# KiCad board BDCMotorController.kicad_pcb (continued)
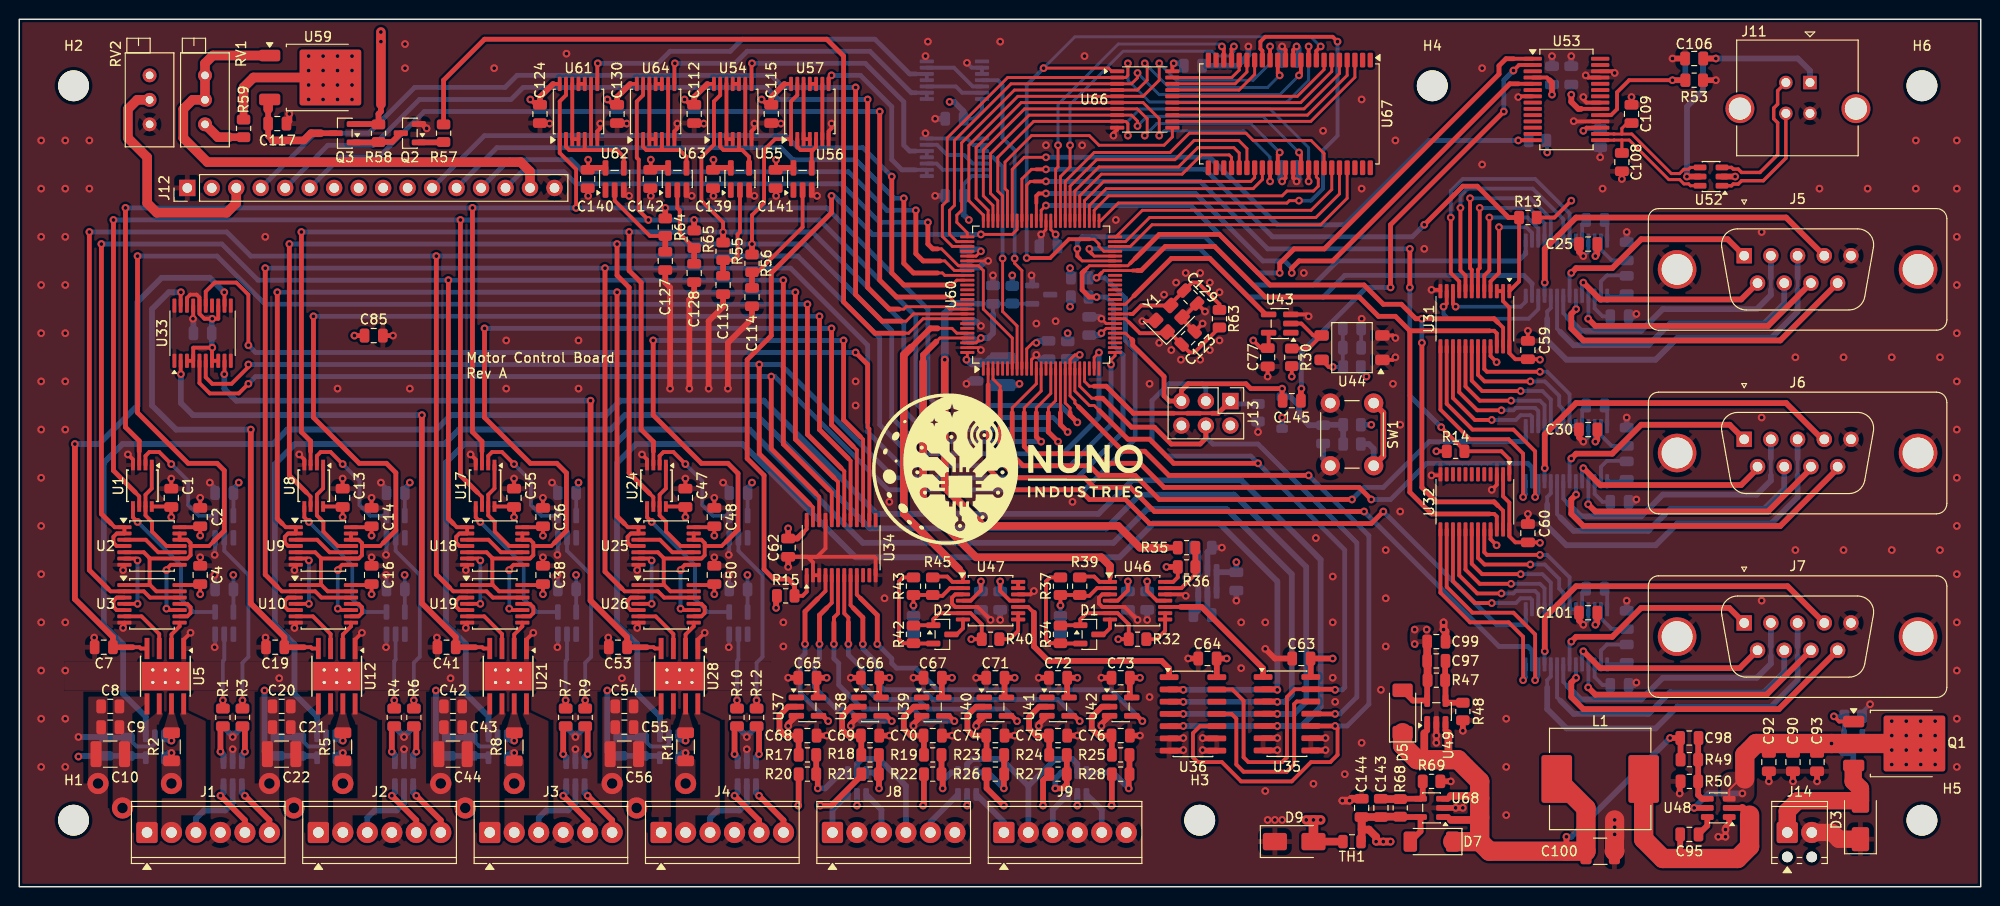
[diagram p0: board, top side]
## Nets (continued)
/Serial ports/RI_IN3: U32.16 U51.17
/Serial ports/RI_LINE1: J5.9 U15.6
/Serial ports/RI_LINE2: J6.9 U16.6
/Serial ports/RI_LINE3: J7.9 U51.6
/Serial ports/RS232 Interface #1/C1+: C26.1 U15.28
/Serial ports/RS232 Interface #1/C1-: C26.2 U15.24
/Serial ports/RS232 Interface #1/C2+: C28.1 U15.1
/Serial ports/RS232 Interface #1/C2-: C28.2 U15.2
/Serial ports/RS232 Interface #1/V+: C29.1 U15.27
/Serial ports/RS232 Interface #1/V-: C27.1 U15.3
/Serial ports/RS232 Interface #2/C1+: C31.1 U16.28
/Serial ports/RS232 Interface #2/C1-: C31.2 U16.24
/Serial ports/RS232 Interface #2/C2+: C33.1 U16.1
/Serial ports/RS232 Interface #2/C2-: C33.2 U16.2
/Serial ports/RS232 Interface #2/V+: C34.1 U16.27
/Serial ports/RS232 Interface #2/V-: C32.1 U16.3
/Serial ports/RS232 Interface #3/C1+: C102.1 U51.28
/Serial ports/RS232 Interface #3/C1-: C102.2 U51.24
/Serial ports/RS232 Interface #3/C2+: C104.1 U51.1
/Serial ports/RS232 Interface #3/C2-: C104.2 U51.2
/Serial ports/RS232 Interface #3/V+: C105.1 U51.27
/Serial ports/RS232 Interface #3/V-: C103.1 U51.3
/Serial ports/RTS_IN1: U15.14 U31.10
/Serial ports/RTS_IN2: U16.14 U31.13
/Serial ports/RTS_IN3: U32.13 U51.14
/Serial ports/RTS_LINE1: J5.7 U15.9
/Serial ports/RTS_LINE2: J6.7 U16.9
/Serial ports/RTS_LINE3: J7.7 U51.9
/Serial ports/RX_LINE1: J5.2 U15.8
/Serial ports/RX_LINE2: J6.2 U16.8
/Serial ports/RX_LINE3: J7.2 U51.8
/Serial ports/ST_IN1: U15.21 U31.8
/Serial ports/ST_IN2: U16.21 U31.19
/Serial ports/ST_IN3: U32.19 U51.21
/Serial ports/TX_LINE1: J5.3 U15.10
/Serial ports/TX_LINE2: J6.3 U16.10
/Serial ports/TX_LINE3: J7.3 U51.10
/Serial ports/~{SHDN_IN1}: U15.22 U15.23 U31.9
/Serial ports/~{SHDN_IN2}: U16.22 U16.23 U31.20
/Serial ports/~{SHDN_IN3}: U32.20 U51.22 U51.23
/USB/DN: J11.2 U52.3
/USB/DP: J11.3 U52.1
/USB/USBN: C109.1 U52.4 U53.16
/USB/USBP: C108.1 U52.6 U53.15
VDC: C8.1 C9.1 C10.1 C20.1 C21.1 C22.1 C42.1 C43.1 C44.1 C54.1 C55.1 C56.1 C90.2 C92.1 C93.1 D4.3 Q1.2 Q3.2 R58.1 U5.5 U12.5 U21.5 U28.5 U48.3 U48.5
Net-(C3-Pad1): C3.1 R1.1 U6.2
Net-(C12-Pad1): C12.1 R3.1 U4.2
Net-(C15-Pad1): C15.1 R4.1 U13.2
Net-(C24-Pad1): C24.1 R6.1 U11.2
Net-(C37-Pad1): C37.1 R7.1 U22.2
Net-(C46-Pad1): C46.1 R9.1 U20.2
Net-(C49-Pad1): C49.1 R10.1 U29.2
Net-(C58-Pad1): C58.1 R12.1 U27.2
Net-(C68-Pad1): C68.1 R17.1 U37.2
Net-(C69-Pad1): C69.1 R18.1 U38.2
Net-(C70-Pad1): C70.1 R19.1 U39.2
Net-(C74-Pad1): C74.1 R23.1 U40.2
Net-(C75-Pad1): C75.1 R24.1 U41.2
Net-(C76-Pad1): C76.1 R25.1 U42.2
Net-(C113-Pad1): C113.1 R55.2 U55.2
Net-(C114-Pad1): C114.1 R56.2 U56.2
Net-(C127-Pad1): C127.1 R64.2 U62.2
Net-(C128-Pad1): C128.1 R65.2 U63.2
Net-(D1-A): D1.2 R34.1 R37.2
Net-(D1-K-Pad3): D1.3 U46.7
Net-(D2-A): D2.2 R42.1 R43.2
Net-(D2-K-Pad3): D2.3 U47.7
Net-(D3-A2): D3.2 J14.1 Q1.3
Net-(D4-A): D4.1 Q1.1 R46.1
Net-(J1-Pin_5): J1.5 U69.6
Net-(J1-Pin_6): J1.6 U69.4
Net-(J2-Pin_5): J2.5 U70.6
Net-(J2-Pin_6): J2.6 U70.4
Net-(J3-Pin_5): J3.5 U71.6
Net-(J3-Pin_6): J3.6 U71.4
Net-(J4-Pin_5): J4.5 U72.6
Net-(J4-Pin_6): J4.6 U72.4
Net-(Q2-B): Q2.1 R57.2
Net-(Q2-C): Q2.3 Q3.1 R58.2
Net-(Q3-D): C117.1 Q3.3 U59.3
Net-(R59-Pad2): R59.2 RV1.1
Net-(R61-Pad2): R61.2 SW1.2
Net-(U1-Pad2): U1.2 U4.4
Net-(U1-Pad5): U1.5 U6.4
Net-(U2-Pad6): U2.6 U3.4
Net-(U2-Pad8): U2.8 U3.10
Net-(U3-Pad3): U3.3 U3.5
Net-(U3-Pad11): U3.9 U3.11
Net-(U5-ISEN): R2.2 U5.7 U7.3
Net-(U10-Pad3): U10.3 U10.5
Net-(U10-Pad4): U9.6 U10.4
Net-(U10-Pad10): U9.8 U10.10
Net-(U10-Pad11): U10.9 U10.11
Net-(U11-Pad4): U8.2 U11.4
Net-(U12-ISEN): R5.2 U12.7 U14.3
Net-(U13-Pad4): U8.5 U13.4
Net-(U17-Pad2): U17.2 U20.4
Net-(U17-Pad5): U17.5 U22.4
Net-(U18-Pad6): U18.6 U19.4
Net-(U18-Pad8): U18.8 U19.10
Net-(U19-Pad3): U19.3 U19.5
Net-(U19-Pad11): U19.9 U19.11
Net-(U21-ISEN): R8.2 U21.7 U23.3
Net-(U24-Pad2): U24.2 U27.4
Net-(U24-Pad5): U24.5 U29.4
Net-(U25-Pad6): U25.6 U26.4
Net-(U25-Pad8): U25.8 U26.10
Net-(U26-Pad3): U26.3 U26.5
Net-(U26-Pad11): U26.9 U26.11
Net-(U28-ISEN): R11.2 U28.7 U30.3
Net-(U35-SO): U35.12 U36.11
Net-(U44-OUT): R30.2 U43.2 U44.3
Net-(U44-Vcc): C78.1 C79.1 R29.1 U44.4
Net-(U46A--): R37.1 R38.2 R39.2 U46.2
Net-(U46B--): D1.1 R32.1 R33.1 R34.2 U46.6
Net-(U46D--): R35.1 R36.1 U46.13
Net-(U47A--): R43.1 R44.2 R45.2 U47.2
Net-(U47B--): D2.1 R40.1 R41.1 R42.2 U47.6
Net-(U47D--): U47.13 U47.14
Net-(U48-BOOT): C95.1 U48.6
Net-(U48-FB): C98.2 R49.2 R50.1 U48.4
Net-(U48-SW): C95.2 L1.1 U48.2
Net-(U49-FB): C97.2 R47.2 R48.1 U49.4
Net-(U50-C1+): C94.1 U50.5
Net-(U50-C1-): C94.2 U50.6
Net-(U53-3V3OUT): C107.1 U53.17
Net-(U54-Pad2): U54.2 U54.5 U55.4
Net-(U54-Pad6): U54.6 U54.9
Net-(U54-Pad8): U54.8 U58.4 U58.5
Net-(U54-Pad10): U54.10 U54.11
Net-(U54-Pad12): U54.3 U54.4 U54.12
Net-(U56-Pad4): U56.4 U57.2 U57.5
Net-(U57-Pad6): U57.6 U57.9
Net-(U57-Pad8): U57.8 U58.1 U58.2
Net-(U57-Pad10): U57.10 U57.11
Net-(U57-Pad12): U57.3 U57.4 U57.12
Net-(U58-Pad12): U58.6 U58.12
Net-(U58-Pad13): U58.3 U58.13
Net-(U59-VO): R59.1 U59.2
Net-(U61-Pad2): U61.2 U61.5 U62.4
Net-(U61-Pad6): U61.6 U61.9
Net-(U61-Pad8): U61.8 U65.4 U65.5
Net-(U61-Pad10): U61.10 U61.11
Net-(U61-Pad12): U61.3 U61.4 U61.12
Net-(U63-Pad4): U63.4 U64.2 U64.5
Net-(U64-Pad6): U64.6 U64.9
Net-(U64-Pad8): U64.8 U65.1 U65.2
Net-(U64-Pad10): U64.10 U64.11
Net-(U64-Pad12): U64.3 U64.4 U64.12
Net-(U65-Pad12): U65.6 U65.12
Net-(U65-Pad13): U65.3 U65.13
Net-(U68-FB): C143.2 R68.2 R69.1 U68.4

Pads without a net: D4 2; J11 SH; U4 1; U6 1; U11 1; U13 1; U15 20; U16 20; U20 1; U22 1; U27 1; U29 1; U32 4 5 6 7 8 9 10 11; U33 14; U34 10 11 13; U36 12; U37 1; U38 1; U39 1; U40 1; U41 1; U42 1; U43 1; U45 3; U51 20; U53 3 6 8 9 10 11 12 13 22 23 24 27 28; U55 1; U56 1; U58 8; U60 1 4 5 14 23 25 27 28 29 35 37 38 39 40 41 42 65 79 94 95; U62 1; U63 1; U65 8; U67 1 2 21 22 23 24 25 42 43 44

## Via types
v1: diameter 0.8, hole 0.4, Top to Bottom, 726 vias
v2: diameter 2.2, hole 1.1, Top to Bottom, 12 vias

## Routing (per net, layer and track width the routed paths; a pad name or vN(x,y) marks a point on that pad's centre or on a via; arc(x,y) is an arc through that point)
+3VADC: length 61.8
  Top w0.3: U60.98 99.27,56.43 v1(99.77,56.93)
  Top w0.6: 119.02,35.18 R35.2
  Top w0.8: 119.02,35.18 116.27,35.18 114.02,37.43 100.02,37.43 96.02,41.43 v1(96.02,54.68)
  Bottom w0.4: C81.1 99.77,60.48 ; C81.1 101.02,59.43 ; C81.1 102.98,60.48 ; U45.1 103.06,60.48
  Bottom w0.6: 102.98,60.48 R31.2 103.06,60.48 ; 98.52,60.48 99.77,60.48 ; 101.02,59.43 101.02,57.43 100.52,56.93 v1(99.77,56.93) 99.57,56.73 C125.1
  Bottom w0.8: v1(96.02,54.68) 96.02,59.43 97.07,60.48 98.52,60.48
+5V: length 287.9
  Top w0.3: U60.31 112.77,57.93 v1(112.27,57.43) ; U60.61 107.02,68.18 v1(107.52,67.68) ; U60.80 99.27,65.43 v1(99.77,65.93) ; U60.10 104.52,55.81 105.14,56.43 v1(105.52,56.43)
  Top w0.4: U64.14 63.38,83.29 ; U3.14 18.67,31.3 C4.1 v1(18.77,30.35) ; U67.33 131.37,73.53 v1(131.02,73.18) ; v1(69.02,81.68) 69.57,81.13 C112.1 ; U31.21 152.64,55.06 v1(153.27,54.43) ; v1(59.02,75.43) 59.02,74.43 C140.1 ; C141.1 78.52,74.43 v1(78.52,75.43) ; v1(33.55,38.35) C13.1 33.5,39.45 U8.8 ; v1(72.11,30.35) C50.1 72.01,31.3 U26.14 ; 81.27,36.68 81.7,37.11 U34.24 ; v1(157.77,35.68) 157.72,35.73 C60.1 155.22,35.73 154.59,36.36 U32.24 154.59,39.86 153.94,40.51 U32.2 ; v1(36.55,30.35) C16.1 36.45,31.3 U10.14 ; U31.3 U31.2 153.94,60.76 154.59,60.11 U31.24 154.59,55.36 155.22,54.73 C59.1 157.72,54.73 v1(157.77,54.68) ; v1(132.02,52.93) R30.1 ; C115.1 77.57,81.13 v1(77.02,81.68) ; v1(18.77,36.43) C2.1 18.67,37.3 U2.14 ; v1(161.02,71.18) 159.27,69.43 R13.2 ; v1(36.55,36.43) C14.1 36.45,37.3 U9.14 ; v1(51.33,38.35) C35.1 51.28,39.45 U17.8 ; v1(119.77,85.43) 119.74,85.43 119.63,85.32 U66.20 ; v1(53.02,81.68) 53.57,81.13 C124.1 ; v1(65.52,75.43) 65.52,74.43 C142.1 ; 79.38,83.29 U57.14 ; v1(69.11,38.35) C47.1 69.06,39.45 U24.8 ; U19.14 54.23,31.3 C38.1 v1(54.33,30.35) ; v1(99.77,31.68) 99.77,30.74 98.71,29.68 U47.4 ; U33.17 18.05,58.96 v1(18.02,58.93) ; v1(115.02,31.68) 115.02,30.74 113.96,29.68 U46.4 ; v1(72.11,36.43) C48.1 72.01,37.3 U25.14 ; 162.02,80.71 U53.20 ; v1(128.02,56.68) 128.77,55.93 129.47,55.93 C77.1 129.62,55.98 U43.5 ; C139.1 72.02,74.43 v1(72.02,75.43) ; v1(132.52,87.18) 132.17,86.83 U67.11 ; U61.14 55.38,83.29 ; U53.4 158.5,83.96 158.77,83.68 ; U32.21 152.64,36.06 v1(153.27,35.43) ; U18.14 54.23,37.3 C36.1 v1(54.33,36.43) ; v1(61.02,81.68) 61.57,81.13 C130.1 ; 71.38,83.29 U54.14 ; U1.8 15.72,39.45 C1.1 v1(15.77,38.35) ; v1(147.02,45.18) R14.2
  Top w0.5: v1(34.77,57.18) C85.1
  Top w0.6: v1(136.27,23.68) C63.1 134,23.66 U35.14 ; C140.1 59.17,74.58 U62.5 ; v1(109.77,21.68) C72.1 108.72,19.83 U41.5 ; 71.38,83.29 70.02,81.93 C112.1 ; v1(125.27,23.68) C64.1 124.24,23.66 U36.14 ; U38.5 89.22,19.83 C66.1 v1(90.27,21.68) ; C142.1 65.67,74.58 U63.5 ; U37.5 82.72,19.83 C65.1 v1(83.77,21.68) ; U55.5 72.17,74.58 C139.1 ; U40.5 102.22,19.83 C71.1 v1(103.27,21.68) ; D5.2 144.58,19.32 U49.5 146.07,21.39 R47.1 ; v1(79.77,37.18) C62.1 80.72,36.13 81.27,36.68 ; v1(96.77,21.68) C67.1 95.72,19.83 U39.5 ; U42.5 115.22,19.83 C73.1 v1(116.27,21.68) ; C130.1 62.02,81.93 63.38,83.29 ; C124.1 54.02,81.93 55.38,83.29 ; v1(161.02,82.18) 161.02,81.43 161.75,80.71 162.02,80.71 ; R15.1 78.52,30.09 v1(78.52,28.93) ; 158.77,83.68 159.02,83.43 v1(159.02,82.18) ; 79.38,83.29 78.02,81.93 C115.1 ; C141.1 78.67,74.58 U56.5
  Top w0.8: R47.1 146.11,23.39 C97.1 C99.1
  Bottom w0.4: U11.5 C18.1 40.05,40.9 40.05,41.46 v1(40.52,41.93) ; U27.5 C52.1 75.61,40.9 75.61,41.52 v1(76.02,41.93) ; v1(75.54,32.35) 75.56,32.33 C51.1 U29.5 ; R29.2 139.18,53.52 v1(139.77,52.93) ; C116.1 97.97,72.88 98.82,73.73 U58.14 ; U6.5 C5.1 22.22,32.33 v1(22.2,32.35) ; v1(58.02,41.93) 58.02,41.68 57.83,41.49 57.83,40.9 C40.1 U20.5 ; v1(158.52,76.18) 158.52,77.34 R54.1 ; U13.5 C17.1 40,32.33 v1(39.98,32.35) ; C132.1 99.02,79.68 99.88,80.54 U65.14 ; U22.5 C39.1 57.78,32.33 v1(57.76,32.35) ; v1(22.77,41.93) 22.27,41.43 22.27,40.9 C6.1 U4.5
  Bottom w0.6: v1(132.52,87.18) 132.72,86.98 C133.1 ; v1(96.52,81.43) 96.99,81.43 97.97,80.46 C132.1 ; v1(105.52,56.43) 105.72,56.63 C118.1 ; C116.1 97.97,69.73 v1(98.52,69.18) ; L2.1 103.62,52.03 v1(103.77,52.18) ; R67.1 109.02,63.27 v1(109.02,64.18) ; C80.1 v1(115.02,31.68) ; v1(103.02,63.43) R31.1 ; U50.4 U50.3 124.41,32.63 C91.1 v1(126.27,33.68) ; C61.1 18.07,58.88 v1(18.02,58.93) ; U7.5 12.93,13.57 C11.1 C134.1 6.2,13.57 v1(6.14,13.5) ; v1(112.27,57.43) 112.07,57.23 C121.1 ; U30.5 66.27,13.57 C57.1 C137.1 61.44,13.57 61,14.01 v1(61,20.36) ; U14.5 30.71,13.57 C23.1 C135.1 25.88,13.57 25.44,14.01 v1(25.44,20.36) ; C119.1 107.52,66.63 v1(107.52,67.68) ; R62.1 v1(140.27,47.93) ; C83.1 v1(99.77,31.68) ; v1(119.77,85.43) 120.57,85.43 C131.1 ; v1(131.02,48.68) D6.1 ; v1(131.02,73.18) 130.82,73.38 C138.1 ; C120.1 99.57,66.13 v1(99.77,65.93) ; v1(108.77,57.43) R60.1 ; v1(109.02,60.18) 109.02,61.09 R66.1 ; U23.5 48.49,13.57 C45.1 C136.1 43.66,13.57 43.22,14.01 v1(43.22,20.36)
  vias: v1(144.77,26.68) v1(144.77,25.18) v1(146.02,26.68)
+5VA: length 4.8
  Top w0.3: U60.100 98.36,54.77 v1(98.27,54.68)
  Bottom w0.6: v1(98.27,54.68) 98.57,54.38 C122.1 99.32,54.43 100.27,54.43 100.67,54.83 L2.2
+5VD: length 138.8
  Top w0.6: C25.1 163.72,65.63 v1(163.52,65.43) ; R68.1 143.31,7.23 U68.5 145.38,5.74 D7.2 ; v1(163.52,46.18) 163.72,46.38 C30.1 ; C101.1 163.72,27.38 v1(163.52,27.18)
  Top w0.8: C144.1 139.27,4.74 TH1.2 ; C144.1 139.27,5.93 140.02,5.93 140.77,5.18 v1(140.77,4.68) v1(141.52,4.68) v1(142.27,4.68) ; C144.1 C143.1 141.31,7.27 R68.1
  In2.Cu w1: 199.27,69.93 172.27,69.93 167.77,65.43 v1(163.52,65.43) ; v1(163.52,27.18) 167.67,27.18 172.42,31.93 199.27,31.93 ; 199.27,50.93 172.19,50.93 167.44,46.18 v1(163.52,46.18)
  Bottom w0.4: U51.26 163.44,27.26 v1(163.52,27.18) ; U15.26 163.44,65.51 v1(163.52,65.43) ; v1(163.52,46.18) 163.44,46.26 U16.26
+5VL: length 64.8
  Top w0.6: v1(106.21,8.42) 106.21,11.04 R27.2 ; R20.2 80.86,8.47 v1(80.81,8.42) ; v1(102.15,8.42) 100.36,10.22 R26.2 ; v1(93.77,8.42) 93.86,8.51 R22.2 ; R21.2 87.36,11.52 84.26,8.42 v1(83.1,8.42) ; R28.2 113.36,8.46 v1(113.33,8.42)
  Top w0.8: TH1.1 D9.2
  Top w1: v1(134.27,6.93) v1(133.52,6.93) ; v1(134.27,6.93) D9.2 ; v1(134.27,6.93) v1(135.02,6.93)
  Bottom w0.6: U72.5 75.48,8.68 74.72,7.92 72.43,7.92 71.67,7.15 J4.3 ; U74.5 v1(98.34,8.42) ; U69.5 22.14,8.68 21.38,7.92 19.16,7.92 18.33,7.09 J1.3 ; U75.5 v1(109.77,8.42) ; U73.5 v1(86.91,8.42) ; U71.5 57.7,8.68 56.94,7.92 54.65,7.92 53.89,7.15 J3.3 ; J2.3 36.11,7.15 36.87,7.92 39.16,7.92 39.92,8.68 U70.5
-5V: length 11.2
  Top w0.4: v1(101.77,31.68) 101.77,30.68 102.77,29.68 U47.11 ; U46.11 118.02,29.68 117.02,30.68 v1(117.02,31.68)
  Bottom w0.6: C82.2 v1(117.02,31.68) ; U50.1 122.32,34.68 C96.1 ; v1(101.77,31.68) C84.2
/Power/5V5: length 76.1
  Top w0.6: v1(171.27,15.43) C98.1 172.36,15.39 R49.1 ; 151.27,6.93 151.52,7.18 ; 148.27,15.93 147.97,16.23 U49.3 ; 148.52,6.93 148.22,7.23 U68.1 ; v1(160.52,5.18) 160.52,3.68 ; 145.77,15.93 146.07,16.23 U49.1 ; 151.27,9.43 151.52,9.18 ; 148.52,9.43 148.22,9.13 U68.3
  Top w0.8: 145.77,15.93 145.77,13.18 ; 148.27,15.93 148.27,13.18 ; 148.52,6.93 151.27,6.93 ; 148.52,9.43 151.27,9.43
  Top w2: 151.52,4.68 151.52,10.93 149.27,13.18 145.02,13.18 143.52,14.68 D5.1 ; 151.52,4.68 152.52,3.68 C100.1 162.55,8.15 L1.2 ; 151.52,4.68 D7.1
  Bottom w0.6: v1(171.27,15.43) 161.02,5.18 v1(160.52,5.18)
/USB/VBUS_ON: length 15
  Top w0.4: U53.19 165.14,80.06 165.77,80.68 165.77,82.43 167.02,83.68 v1(171.52,83.68)
  Top w0.6: R53.1 v1(171.52,83.68)
  Bottom w0.6: R51.2 R53.1 v1(171.52,83.68)
GND: length 442
  Top w0.3: U60.11 105.02,54.68 v1(105.52,55.18) ; U60.32 112.77,58.43 v1(112.27,58.93) ; U60.99 99.52,55.93 v1(99.77,55.68) ; v1(100.52,64.93) U60.81 ; U60.62 106.52,68.18 v1(106.02,67.68)
  Top w0.317: v1(167.27,81.93) C109.2 ; v1(166.27,73.43) C108.2
  Top w0.4: C115.2 78.07,79.18 v1(79.02,79.18) ; v1(10.77,26.85) 10.91,26.99 U3.7 ; U33.13 20.64,58.93 v1(20.02,58.93) 19.21,58.93 18.69,59.45 U33.16 18.69,61.13 18.39,61.43 17.73,61.43 17.39,61.09 U33.18 ; U66.10 113.91,78.57 113.52,78.18 v1(113.52,77.93) ; U24.4 65.14,44.32 v1(64.61,44.85) ; v1(63.02,79.18) 62.07,79.18 C130.2 ; U34.3 U34.2 82.34,33.66 81.78,34.23 81.23,34.23 ; v1(116.52,58.68) 117.82,58.68 Y1.4 ; v1(133.77,59.18) 133.57,59.38 U43.3 ; U53.7 155.59,82.01 v1(155.52,81.93) ; v1(54.33,40.35) C36.2 ; C13.2 v1(33.55,42.35) ; v1(84.27,79.18) 84.27,78.68 83.97,78.38 U57.7 ; U46.12 120.87,30.33 v1(121.02,30.18) ; v1(55.02,79.18) 54.07,79.18 C124.2 ; v1(68.27,79.18) 68.27,78.68 67.97,78.38 U64.7 ; v1(129.52,52.93) C77.2 ; v1(76.27,79.18) 76.27,78.68 75.97,78.38 U54.7 ; v1(18.77,40.35) C2.2 ; U17.4 47.36,44.32 v1(46.83,44.85) ; v1(131.02,87.18) 131.37,86.83 U67.12 ; v1(10.77,32.85) 10.91,32.99 U2.7 ; U21.1 52.62,25.64 v1(53.33,26.35) ; v1(146.52,61.93) 147.31,61.93 U31.12 ; v1(116.02,27.68) 114.67,29.03 U46.5 112.36,29.03 112.02,29.37 112.02,29.99 112.36,30.33 U46.3 ; U47.12 104.92,30.33 v1(105.27,30.68) ; U5.1 17.06,25.64 v1(17.77,26.35) ; C4.2 v1(18.77,34.18) ; v1(46.33,32.85) 46.47,32.99 U18.7 ; U10.7 28.69,26.99 v1(28.55,26.85) ; v1(28.55,32.85) 28.69,32.99 U9.7 ; C142.2 65.52,72.43 v1(65.52,71.68) ; v1(46.33,26.85) 46.47,26.99 U19.7 ; v1(72.11,40.35) C48.2 ; U28.1 70.4,25.64 v1(71.11,26.35) ; 81.23,34.23 88.72,34.23 88.84,34.11 U34.12 ; 81.23,34.23 C62.2 82.77,34.23 83.64,35.11 U34.21 ; U12.1 34.84,25.64 v1(35.55,26.35) ; v1(146.52,42.68) 147.33,42.68 U32.12 ; U47.3 97.11,30.33 96.77,29.99 96.77,29.37 97.11,29.03 U47.5 99.42,29.03 v1(100.77,27.68) ; C1.2 v1(15.77,42.35) ; C140.2 59.02,72.43 v1(59.02,71.68) ; C38.2 v1(54.33,34.18) ; U8.4 29.58,44.32 v1(29.05,44.85) ; U53.26 165.34,84.61 v1(165.52,84.43) ; v1(142.77,56.93) 142.5,57.2 U44.2 ; U44.1 142.5,54.66 v1(142.77,54.93) ; v1(152.77,41.18) 153.3,41.71 U32.3 ; v1(122.77,58.43) C123.2 120.65,58.89 Y1.2 120.79,59.11 C129.2 v1(123.02,59.68) ; v1(64.11,32.85) 64.25,32.99 U25.7 ; v1(36.55,40.35) C14.2 ; v1(64.11,26.85) 64.25,26.99 U26.7 ; U67.34 132.17,73.53 v1(132.52,73.18) ; C16.2 v1(36.55,34.18) ; v1(162.52,84.18) 162.75,83.96 U53.25 ; C112.2 70.07,79.18 v1(71.02,79.18) ; U33.3 U33.4 18.05,55.91 18.07,55.93 v1(20.02,55.93) 19.99,55.91 U33.7 U33.8 ; v1(72.02,71.68) 72.02,72.43 C139.2 ; U53.21 162.59,81.36 162.27,81.68 v1(162.27,81.93) ; C60.2 v1(156.52,38.68) ; C50.2 v1(72.11,34.18) ; v1(11.27,44.85) 11.8,44.33 U1.4 ; v1(78.52,71.68) 78.52,72.43 C141.2 ; U61.7 59.97,78.38 60.27,78.68 v1(60.27,79.18) ; U53.18 161.3,79.41 v1(161.27,79.43) ; C35.2 v1(51.33,42.35) ; C47.2 v1(69.11,42.35) ; C59.2 v1(156.52,57.68)
  Top w0.5: v1(38.77,57.18) C85.2
  Top w0.6: v1(112.27,16.68) 112.27,16.88 U42.3 ; v1(130.52,15.43) 130.5,15.41 U35.6 ; R53.2 v1(176.02,83.68) ; v1(149.77,8.18) v1(149.02,8.18) U68.2 ; v1(162.27,65.43) 161.82,65.88 C25.2 ; v1(83.77,15.68) C68.2 ; v1(79.77,21.68) C65.2 ; v1(116.27,15.68) C76.2 ; C117.2 27.77,79.18 28.02,79.43 v1(28.02,80.18) ; v1(92.77,21.68) C67.2 ; U36.8 122.83,14.12 v1(122.77,14.18) ; U38.3 86.27,16.88 v1(86.27,16.68) ; C93.2 v1(186.52,10.93) ; C63.2 130.27,23.68 v1(129.27,24.68) ; U35.7 130.48,14.14 v1(130.52,14.18) ; v1(99.27,21.68) C71.2 ; v1(148.52,10.93) R69.2 ; C7.2 7.77,24.9 v1(7.77,25.85) ; v1(86.27,21.68) C66.2 ; v1(176.27,5.18) v1(177.02,5.18) v1(177.02,5.93) 177.02,6.18 177.41,6.57 U48.1 ; v1(43.33,25.85) 43.33,24.9 C41.2 ; R50.2 172.27,10.84 v1(172.27,9.68) ; R11.1 v1(69.13,13.89) ; v1(122.77,15.43) 122.81,15.39 U36.9 ; U35.9 135.5,15.41 v1(135.52,15.43) ; v1(105.77,16.68) 105.77,16.88 U41.3 ; v1(103.27,15.68) C74.2 ; U36.6 120.73,15.39 v1(120.77,15.43) ; C53.2 61.11,24.9 v1(61.11,25.85) ; v1(105.77,21.68) C72.2 ; C90.1 v1(184.02,10.93) ; v1(25.55,25.85) 25.55,24.9 C19.2 ; U37.3 79.77,16.88 v1(79.77,16.68) ; v1(171.52,85.93) C106.2 ; v1(92.77,16.68) 92.77,16.88 U39.3 ; v1(135.52,14.18) 135.48,14.14 U35.8 ; v1(96.77,15.68) C70.2 ; v1(69.52,51.68) 69.52,60.93 70.02,61.43 C128.2 ; C92.2 v1(181.52,10.93) ; v1(90.27,15.68) C69.2 ; v1(67.52,51.68) 67.52,62.18 67.02,62.68 C127.2 ; C64.2 v1(121.27,23.68) ; v1(42.27,78.68) 41.82,79.13 Q2.2 ; U49.2 v1(147.02,15.68) v1(147.02,14.93) ; v1(71.52,51.68) 71.52,58.68 73.02,60.18 C113.2 ; v1(73.52,51.68) 73.52,56.43 76.02,58.93 C114.2 ; R5.1 v1(33.57,13.89) ; v1(99.27,16.68) 99.27,16.88 U40.3 ; C101.2 161.82,27.63 v1(162.27,27.18) ; v1(112.27,21.68) C73.2 ; v1(109.77,15.68) C75.2 ; R48.2 v1(149.77,16.18) ; v1(79.77,33.18) C62.2 ; C30.2 161.82,46.63 v1(162.27,46.18) ; U52.2 v1(178.02,73.68) ; v1(120.77,14.18) 120.71,14.12 U36.7 ; R8.1 v1(51.35,13.89) ; R2.1 v1(15.79,13.89)
  Top w0.8: C144.2 138.22,9.13 v1(138.02,8.93) v1(137.27,8.93) ; v1(147.77,27.43) v1(147.77,26.68) 147.97,26.48 C99.2
  Top w1.8: J14.2 188.07,5.63 188.77,4.93 D3.1
  Top w2: v1(165.52,6.93) 165.52,3.71 C100.2
  Bottom w0.4: U20.3 55.88,34.9 55.83,34.85 v1(55.83,34.43) ; U7.2 14.07,14.85 13.77,14.55 12.19,14.55 C11.2 ; v1(162.27,27.18) 162.8,27.71 U51.25 ; U30.2 67.41,14.85 67.11,14.55 65.53,14.55 C57.2 ; v1(73.61,34.43) 73.61,34.85 73.66,34.9 U27.3 ; U58.10 U58.9 98.97,76.98 98.32,77.63 U58.7 94.02,77.77 v1(94.02,78.18) ; v1(20.27,34.43) 20.27,34.85 20.32,34.9 U4.3 ; U65.10 U65.9 98.82,84.98 v1(98.32,85.48) ; C40.2 55.83,40.9 55.83,41.37 v1(55.27,41.93) ; v1(192.02,18.93) 191.18,18.09 R46.2 ; U13.3 38.1,24.9 v1(38.05,24.85) ; C17.2 38.1,32.3 v1(38.05,32.35) ; U22.3 55.88,24.9 v1(55.83,24.85) ; U14.2 31.85,14.85 31.55,14.55 29.97,14.55 C23.2 ; v1(38.05,34.43) 38.05,34.85 38.1,34.9 U11.3 ; v1(73.61,32.35) 73.66,32.3 C51.2 ; v1(55.83,32.35) 55.88,32.3 C39.2 ; v1(162.27,65.43) 162.8,65.96 U15.25 ; v1(73.61,24.85) 73.66,24.9 U29.3 ; C6.2 20.27,40.9 20.27,41.43 v1(19.77,41.93) ; C18.2 38.05,40.9 38.05,41.4 v1(37.52,41.93) ; v1(73.02,41.93) 73.61,41.34 73.61,40.9 C52.2 ; v1(164.02,75.68) C107.2 ; v1(139.27,58.93) 139.27,57.98 C78.2 C79.2 ; v1(162.27,46.18) 162.8,46.71 U16.25 ; C5.2 20.32,32.3 v1(20.27,32.35) ; v1(20.27,24.85) 20.32,24.9 U6.3 ; C45.2 47.75,14.55 49.33,14.55 49.63,14.85 U23.2
  Bottom w0.5: v1(128.52,47.18) R16.2
  Bottom w0.6: v1(100.77,27.68) 99.77,28.68 C83.2 ; 57.7,15.6 C37.2 ; 57.7,15.6 C46.2 ; 57.7,15.6 v1(57.7,15.54) ; v1(127.52,87.18) 127.52,86.31 126.39,85.18 C131.2 ; v1(167.77,21.18) 167.52,20.93 C103.2 ; U72.2 v1(75.48,14.27) ; U50.2 123.27,34.73 C96.2 v1(124.77,35.18) ; C111.2 v1(161.02,86.18) ; v1(51.35,13.89) 51.08,13.89 U23.4 ; C110.2 v1(159.02,86.18) ; v1(22.14,15.54) 22.14,15.6 ; 22.14,15.6 C3.2 ; 22.14,15.6 C12.2 ; C126.2 135.27,44.43 SW1.1 ; v1(101.77,27.68) C84.1 ; v1(75.48,15.54) 75.48,15.6 ; 75.48,15.6 C58.2 ; 75.48,15.6 C49.2 ; C136.2 C45.2 ; C118.2 105.97,54.73 v1(105.52,55.18) ; J8.4 91.99,10.46 89.2,13.25 87.42,13.25 86.91,12.74 U73.2 ; C125.2 99.32,58.63 v1(99.77,58.18) ; v1(39.92,15.54) 39.92,15.6 ; 39.92,15.6 C24.2 ; 39.92,15.6 C15.2 ; v1(167.77,40.18) 167.52,39.93 C32.2 ; v1(20.02,55.93) 19.97,55.98 C61.2 19.97,58.88 v1(20.02,58.93) ; U45.2 105.08,63.37 v1(105.02,63.43) ; v1(98.27,52.18) 98.57,52.48 C122.2 ; U7.4 15.52,13.89 v1(15.79,13.89) ; 104.69,10.46 107.48,13.25 109.26,13.25 109.77,12.74 U75.2 ; 104.69,10.46 J9.2 ; 104.69,10.46 101.9,13.25 98.85,13.25 98.34,12.74 U74.2 ; v1(106.02,67.68) 106.02,66.63 C119.2 ; U69.2 v1(22.14,14.27) ; v1(167.77,59.43) 167.52,59.18 C27.2 ; C116.2 v1(95.02,71.68) ; C82.1 v1(117.02,27.68) ; v1(132.52,73.18) 132.72,73.38 C138.2 ; U14.4 33.3,13.89 v1(33.57,13.89) ; C29.2 v1(166.77,67.93) ; C34.2 v1(166.77,48.68) ; C133.2 130.82,86.98 v1(131.02,87.18) ; C80.2 115.02,28.68 v1(116.02,27.68) ; v1(112.27,58.93) 112.07,59.13 C121.2 ; U71.2 v1(57.7,14.27) ; U70.2 v1(39.92,14.27) ; C11.2 C134.2 8.95,15.54 v1(6.14,15.54) ; C137.2 C57.2 ; v1(126.27,29.68) C91.2 ; v1(100.52,64.93) 100.27,64.93 99.57,64.23 C120.2 ; v1(95.02,79.68) C132.2 ; C105.2 v1(166.77,29.68) ; C81.2 v1(101.02,63.43) ; C135.2 C23.2 ; v1(69.13,13.89) 68.86,13.89 U30.4
  vias: v1(2.27,77.43) v1(2.27,72.43) v1(2.27,67.43) v1(2.27,62.43) v1(2.27,57.43) v1(2.27,52.43) v1(2.27,47.43) v1(2.27,42.43) v1(2.27,37.43) v1(2.27,32.43) v1(2.27,27.43) v1(2.27,22.43) v1(2.27,17.43) v1(2.27,12.43) v1(4.77,77.43) v1(4.77,72.43) v1(4.77,67.43) v1(4.77,62.43) v1(4.77,57.43) v1(4.77,52.43) v1(4.77,47.43) v1(4.77,27.43) v1(4.77,22.43) v1(4.77,17.43) v1(4.77,12.43) v1(7.27,77.43) v1(7.27,72.43) v1(25.52,67.43) v1(26.97,21.63) v1(33.02,51.68) v1(40.02,87.43) v1(40.02,84.93) v1(40.52,51.68) v1(44.75,21.63) v1(49.27,84.93) v1(50.52,56.68) v1(50.52,51.68) v1(56.77,86.43) v1(58.02,56.68) v1(58.02,51.68) v1(62.53,21.63) v1(63.27,71.68) v1(69.77,71.68) v1(76.27,71.68) v1(79.27,27.43) v1(79.27,24.93) v1(82.77,71.68) v1(86.77,52.43) v1(86.77,49.93) v1(89.77,29.93) v1(90.27,39.93) v1(94.02,86.18) v1(94.27,87.68) v1(101.77,87.68) v1(101.77,39.93) v1(105.52,58.43) v1(106.52,76.93) v1(107.52,58.68) v1(109.27,39.93) v1(110.27,76.93) v1(110.52,86.18) v1(113.77,69.18) v1(117.02,33.18) v1(117.27,52.18) v1(117.27,19.68) v1(118.27,56.43) v1(118.77,61.43) v1(119.52,55.68) v1(120.02,62.68) v1(120.52,54.68) v1(121.02,63.68) v1(122.52,63.68) v1(122.52,54.68) v1(123.52,62.68) v1(123.52,55.68) v1(124.52,61.68) v1(124.52,56.68) v1(126.77,27.43) v1(126.77,22.68) v1(129.27,27.43) v1(129.27,9.93) v1(129.52,6.93) v1(130.27,6.93) v1(131.02,6.93) v1(133.27,63.68) v1(134.27,10.68) v1(134.52,36.18) v1(135.27,78.43) v1(136.27,32.18) v1(136.27,27.43) v1(136.27,21.68) v1(136.52,19.18) v1(137.52,11.68) v1(139.27,81.68) v1(139.27,72.43) v1(139.27,14.93) v1(141.27,20.43) v1(141.77,34.93) v1(141.77,29.93) v1(141.77,24.93) v1(142.52,52.18) v1(142.77,77.43) v1(143.27,47.93) v1(143.27,38.93) v1(145.77,66.18) v1(151.77,84.93) v1(151.77,74.93) v1(154.27,17.43) v1(154.27,12.43) v1(154.27,7.43) v1(164.27,72.43) v1(165.52,6.18) v1(165.52,5.43) v1(180.77,67.93) v1(180.77,48.68) v1(180.77,29.68) v1(184.27,54.93) v1(184.27,34.93) v1(186.77,72.43) v1(189.27,54.93) v1(189.27,34.93) v1(191.77,72.43) v1(194.27,54.93) v1(194.27,34.93) v1(196.77,77.43) v1(196.77,72.43) v1(199.27,54.93) v1(199.27,34.93) v1(201.02,77.43) v1(201.02,72.43) v1(201.02,67.43) v1(201.02,62.43) v1(201.02,57.43) v1(201.02,52.43) v1(201.02,47.43) v1(201.02,42.43) v1(201.02,37.43) v1(201.02,32.43) v1(201.02,27.43) v1(201.02,22.43) v1(201.02,17.43) v1(201.02,12.43) v2(8.17,10.71) v2(15.79,10.71) v2(25.95,10.71) v2(33.57,10.71) v2(43.73,10.71) v2(51.35,10.71) v2(61.51,10.71) v2(69.13,10.71)
VBUS: length 28.5
  Top w0.6: C106.1 v1(176.02,85.93) ; U52.5 v1(173.02,73.68)
  Bottom w0.6: v1(173.02,73.68) 173.02,80.93 174.68,82.59 R52.1 R51.1 v1(176.02,85.93) 184.53,85.93 185.78,84.68 J11.1
/ADC conditioning/-VREF: length 3.8
  Top w0.4: U46.14 119.72,31.63 120.2,32.11 R36.2
  Top w0.6: v1(119.02,33.18) R36.2
/ADC conditioning/VA0: length 4.1
  Top w0.4: R32.2 118.02,25.68 118.88,26.54 U46.8 U46.9
/ADC conditioning/VA0_IN: length 13.7
  Top w0.4: 120.52,29.03 U46.10
  Top w0.6: U35.1 129.05,22.66 122.67,29.03 120.52,29.03
/ADC conditioning/VA0_OUT: length 47.9
  Top w0.3: 95.14,56.56 95.52,56.93 U60.97
  Top w0.4: R39.1 110.11,32.18 111.52,32.18 112.07,31.63 U46.1 113.16,32.18
  Top w0.6: 95.14,56.56 93.77,55.18 93.77,54.43 ; 113.16,32.68 113.16,32.18
  Top w0.8: 93.77,54.43 93.77,39.68 99.27,34.18 112.27,34.18 113.16,33.29 113.16,32.68